# Altium PCB IoT_Greenhouse V1.0 A.PcbDoc (part 1 of 2) (continued)
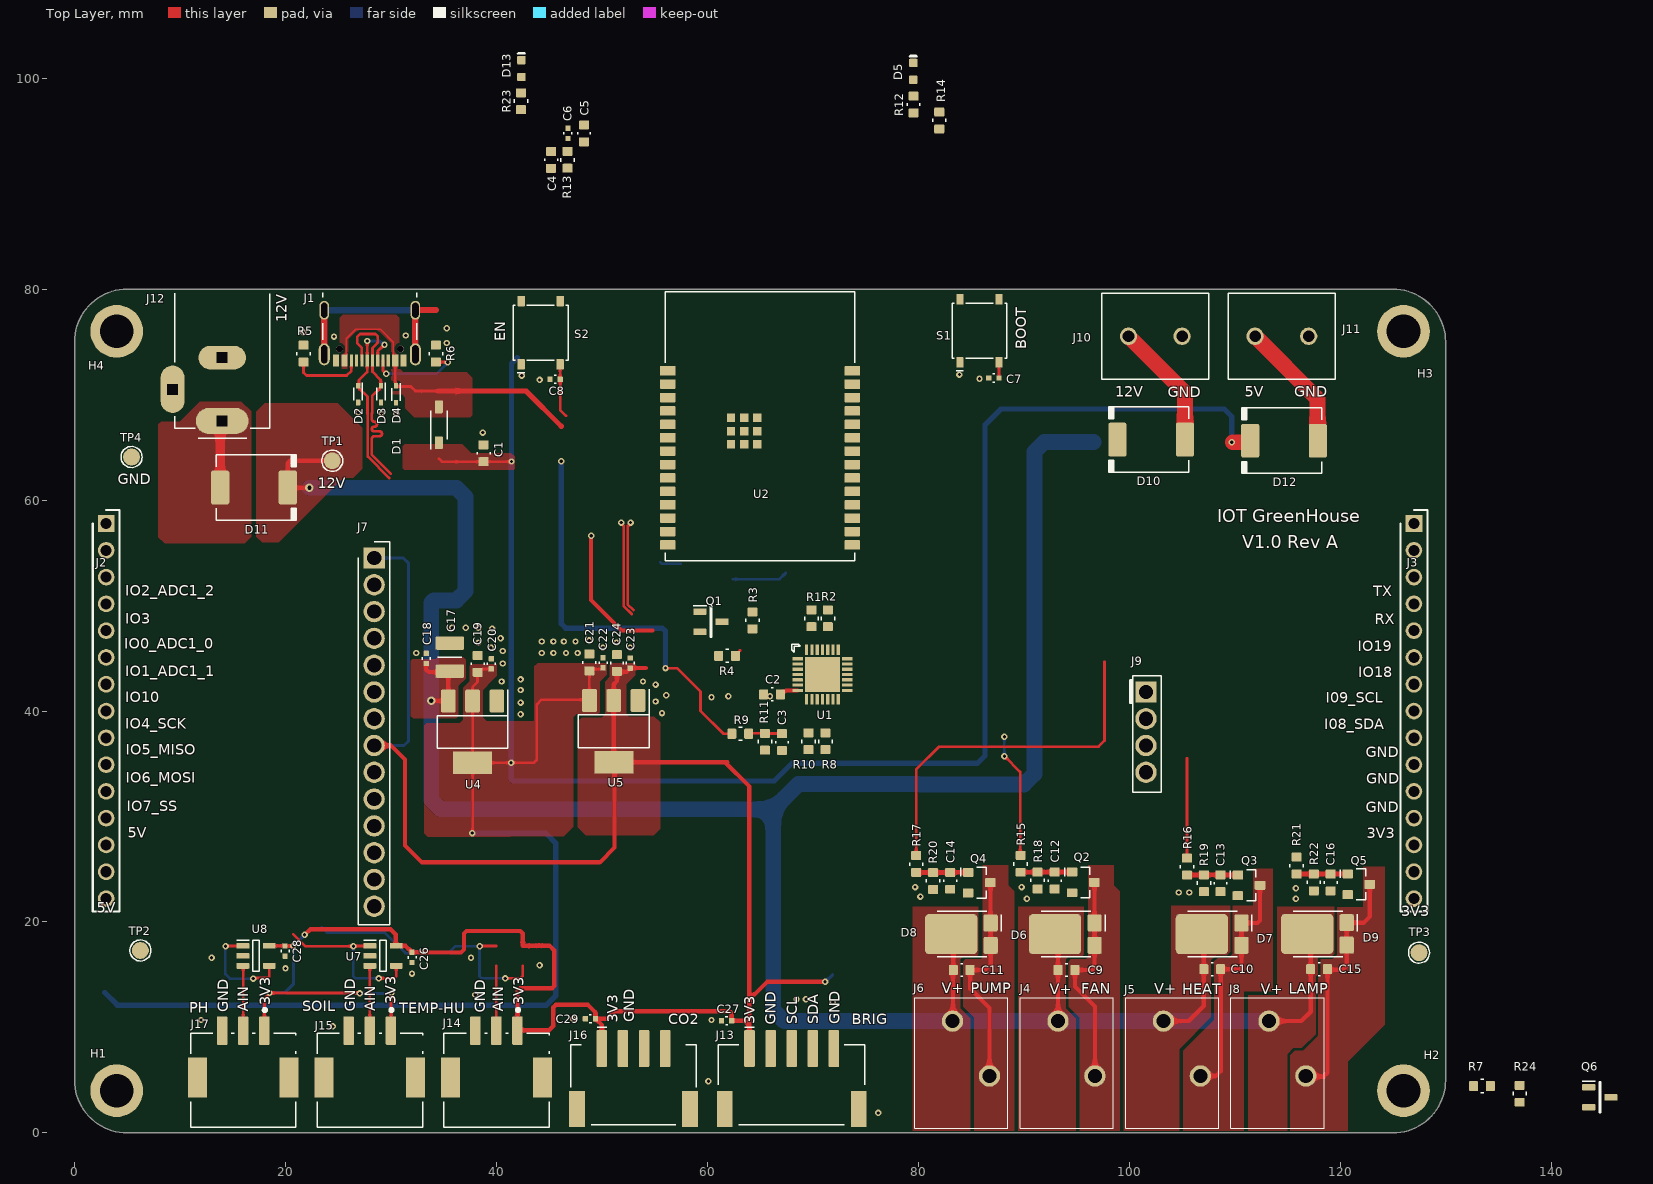
[diagram p0: Top Layer view]
## Part data (continued)
D1: library part DIO_RECT_40V_1A_1N5819HW-7-F, "Rectifier Diode, Schottky, 1 Phase, 1 Element, 1A, 40V V(RRM), Silicon", Average Rectified Current=1A, Capacitance=50pF, Case/Package=SOD-123-2, Forward Voltage=450mV, Manufacturer=Diodes, Max Forward Surge Current (Ifsm)=25A, Max Operating Temperature=125°C, Max Power Dissipation=450mW, Max Repetitive Reverse Voltage (Vrrm)=40V, Max Reverse Current=50uA, Min Operating Temperature=-65°C, Package Quantity=3000, Supplier Part Number 1=1N5819HW-FDIDKR-ND, Category="Rectifier Diodes", ComponentLink1Description=https://datasheet.ciiva.com/16303/ds30217-16303296.pdf?src-supplier=Future+Electronics, ComponentLink1URL=https://datasheet.ciiva.com/16303/ds30217-16303296.pdf?src-supplier=Future+Electronics, ComponentLink2Description=https://datasheet.ciiva.com/27092/1538419-27092484.pdf?src-supplier=Jameco, ComponentLink2URL=https://datasheet.ciiva.com/27092/1538419-27092484.pdf?src-supplier=Jameco, ComponentLink3Description=https://datasheet.ciiva.com/912/ds30217-912801.pdf?src-supplier=Digikey, ComponentLink3URL=https://datasheet.ciiva.com/912/ds30217-912801.pdf?src-supplier=Digikey, ComponentLink4Description=https://datasheet.ciiva.com/912/ds30217-912802.pdf?src-supplier=Digikey, ComponentLink4URL=https://datasheet.ciiva.com/912/ds30217-912802.pdf?src-supplier=Digikey, ComponentLink5Description=https://datasheet.ciiva.com/912/ds30217-912803.pdf?src-supplier=Digikey, ComponentLink5URL=https://datasheet.ciiva.com/912/ds30217-912803.pdf?src-supplier=Digikey, ComponentLink6Description=https://datasheet.ciiva.com/8303/ds30217-8303132.pdf?src-supplier=Avnet, ComponentLink6URL=https://datasheet.ciiva.com/8303/ds30217-8303132.pdf?src-supplier=Avnet, ComponentLink7Description=https://datasheet.ciiva.com/1177/ds30217-1177089.pdf?src-supplier=Element14, ComponentLink7URL=https://datasheet.ciiva.com/1177/ds30217-1177089.pdf?src-supplier=Element14, Current Rating=1A, Forward Current=1A, Height=1.25mm, Lead Free="Lead Free", Length=2.85mm, Manufacturer Part Number=1N5819HW-7-F, Max Reverse Voltage (DC)=40V, Number of Pins=2, Output Current=1A, Packaging="Tape and Reel", Peak Non-Repetitive Surge Current=25A, Polarity=Standard, Pricing 1="1=0.41, 10=0.289, 100=0.146, 500=0.11908, 1000=0.08836 (USD)", Radiation Hardening=No, Reach SVHC Compliant=No, Reverse Voltage=40V, RoHS=Yes, RoHS Compliant=Yes, Series=-, Stock 1=221439, Supplier 1=Digikey, Termination=SMD/SMT, Voltage Rating (DC)=40V, Weight=0.000353oz, Width=1.7mm
D2 D3 D4: library part DIO_TVS_BID_5V_PESD5V0S1BB,115, "ESD Suppressor Diode TVS Bi-Dir 5V Automotive 2-Pin SOD-523 T/R / TVS DIODE 5VWM 14VC SOD523", Breakdown Voltage=5.5V, Manufacturer=Nexperia, Operating Supply Voltage=5V, Supplier Part Number 1=1727-3838-1-ND, Category="ESD and Circuit Protection ICs", ComponentLink1Description=http://www.farnell.com/datasheets/461331.pdf?src-supplier=Farnell, ComponentLink1URL=http://www.farnell.com/datasheets/461331.pdf?src-supplier=Farnell, ComponentLink2Description=https://www.mouser.com/ds/2/302/PESD5V0S1BA_BB_BL-1150699.pdf?src-supplier=Mouser, ComponentLink2URL=https://www.mouser.com/ds/2/302/PESD5V0S1BA_BB_BL-1150699.pdf?src-supplier=Mouser, ComponentLink3Description=https://assets.nexperia.com/documents/data-sheet/PESD5V0S1BA_BB_BL.pdf?src-supplier=Digikey, ComponentLink3URL=https://assets.nexperia.com/documents/data-sheet/PESD5V0S1BA_BB_BL.pdf?src-supplier=Digikey, ComponentLink4Description=http://www.farnell.com/datasheets/461331.pdf?src-supplier=Newark, ComponentLink4URL=http://www.farnell.com/datasheets/461331.pdf?src-supplier=Newark, Manufacturer Part Number=PESD5V0S1BB,115, Number of Pins=2, Packaging="Tape and Reel", Pricing 1="1=0.35, 10=0.243, 100=0.1226, 500=0.10004, 1000=0.07422, 3000=0.06245, 6000=0.0597, 9000=0.05163, 30000=0.05067, 75000=0.04195, 150000=0.04131 (USD)", RoHS=Yes, RoHS Compliant=Yes, Stock 1=221713, Supplier 1=Digikey
D5: library part LED_DIO_BLUE_5mA_0603, "LED Uni-Color Blue 468nm 2-Pin Chip LED T/R", Case Code (Imperial)=0603, Case Code (Metric)=1608, Color=Blue, Forward Current=20mA, Forward Voltage=2.8V, Lens Color=Colorless, Manufacturer="Vishay Lite-On", Max Operating Temperature=80°C, Min Operating Temperature=-20°C, Package Quantity=1, Power Dissipation=76mW, Reverse Voltage=5V, Supplier Part Number 1=160-1827-1-ND, Test Current=5mA, Case/Package=0603, Category=LEDs, ComponentLink1Description=https://datasheet.ciiva.com/2111/ltst-c193tbkt-5a-2111219.pdf?src-supplier=Digi-Key, ComponentLink1URL=https://datasheet.ciiva.com/2111/ltst-c193tbkt-5a-2111219.pdf?src-supplier=Digi-Key, ComponentLink2Description=https://datasheet.ciiva.com/4688/lite-on-ltst-c193tbkt-5a-187386-4688832.pdf?src-supplier=Mouser, ComponentLink2URL=https://datasheet.ciiva.com/4688/lite-on-ltst-c193tbkt-5a-187386-4688832.pdf?src-supplier=Mouser, ComponentLink3Description=https://datasheet.ciiva.com/16210/ltst-c193tbkt-5a-16210824.pdf?src-supplier=Future+Electronics, ComponentLink3URL=https://datasheet.ciiva.com/16210/ltst-c193tbkt-5a-16210824.pdf?src-supplier=Future+Electronics, ComponentLink4Description=https://datasheet.ciiva.com/15201/getdatasheetpartid-293056-15201395.pdf?src-supplier=Verical, ComponentLink4URL=https://datasheet.ciiva.com/15201/getdatasheetpartid-293056-15201395.pdf?src-supplier=Verical, ComponentLink5Description=https://datasheet.ciiva.com/11773/0900766b80dc0554-11773880.pdf?src-supplier=Rs, ComponentLink5URL=https://datasheet.ciiva.com/11773/0900766b80dc0554-11773880.pdf?src-supplier=Rs, ComponentLink6Description=https://datasheet.ciiva.com/2111/p-100-ltst-c193tbkt-5a-2111220.pdf?src-supplier=Digi-Key, ComponentLink6URL=https://datasheet.ciiva.com/2111/p-100-ltst-c193tbkt-5a-2111220.pdf?src-supplier=Digi-Key, ComponentLink7Description=https://datasheet.ciiva.com/2111/p-100-ltst-c193tbkt-5a-2111221.pdf?src-supplier=Digi-Key, ComponentLink7URL=https://datasheet.ciiva.com/2111/p-100-ltst-c193tbkt-5a-2111221.pdf?src-supplier=Digi-Key, Depth=0.8mm, Dominant Wavelength=475nm, Height=0.35mm, Illumination Color=Blue, Lead Free="Lead Free", Length=1.6mm, Lens Style=Diffused,Colorless,Rectangular,Clear, Lens Transparency=Clear, Luminous Intensity=15mcd, Manufacturer Part Number=LTST-C193TBKT-5A, Mount="Surface Mount", Number of Elements=1, Number of LEDs=1, Number of Pins=2, Packaging="Tape and Reel", Pricing 1="1=0.30000, 10=0.23400, 100=0.10510, 500=0.09492, 1000=0.07797, 2000=0.06780 (USD)", Radiation Hardening=No, RoHS=Yes, RoHS Compliant=Yes, Stock 1=924158, Supplier 1=Digi-Key, Supplier 2="Arrow Electronics", Supplier 3="Future Electronics", Supplier Part Number 2=LTST-C193TBKT-5A, Supplier Part Number 3=1101072, Viewing Angle=130°, Width=0.8mm
D6 D7 D8 D9: library part DIO_SCTKY_100V_6A_PMEG100V060ELPDZ, "DIODESCHOTTKY100V6ACFP15", Manufacturer=Nexperia, Category="Schottky Diodes", ComponentLink1Description=http://www.farnell.com/datasheets/2341403.pdf?src-supplier=Farnell, ComponentLink1URL=http://www.farnell.com/datasheets/2341403.pdf?src-supplier=Farnell, ComponentLink2Description=https://datasheet.octopart.com/PMEG100V060ELPDZ-Nexperia-datasheet-87796136.pdf?src-supplier=Future+Electronics, ComponentLink2URL=https://datasheet.octopart.com/PMEG100V060ELPDZ-Nexperia-datasheet-87796136.pdf?src-supplier=Future+Electronics, Manufacturer Part Number=PMEG100V060ELPDZ, Pricing 1="1=0.58, 10=0.504, 100=0.3491, 500=0.29166 (USD)", RoHS=Yes, RoHS Compliant=Yes, Stock 1=60422, Supplier 1=Digikey
D10 D11 D12: library part DIO_SCTKY_40V_3A, "Rectifier Diode, schottky, 40V V(Rrm), do-214Ab / Smc", Average Rectified Current=3A, Case/Package=SMC, Forward Voltage=500mV, Manufacturer="Vishay Semiconductors", Max Operating Temperature=125°C, Max Repetitive Reverse Voltage (Vrrm)=40V, Max Reverse Current=500uA, Max Surge Current=100A, Min Operating Temperature=-55°C, Package Quantity=3500, Category="Rectifier Diodes", ComponentLink1Description=https://datasheet.ciiva.com/920/ss32-920172.pdf?src-supplier=Digi-Key, ComponentLink1URL=https://datasheet.ciiva.com/920/ss32-920172.pdf?src-supplier=Digi-Key, Element Configuration=Single, Forward Current=3A, Manufacturer Part Number=SS34-E3/9AT, Max Reverse Leakage Current=500uA, Max Reverse Voltage (DC)=40V, Mount="Surface Mount", Number of Pins=2, Packaging="Tape and Reel", Peak Non-Repetitive Surge Current=100A, Pricing 1="3500=0.18200 (USD)", Radiation Hardening=No, RoHS=Yes, RoHS Compliant=Yes, Series=-, Stock 1=7000, Supplier 1=TTI, Supplier Part Number 1=SS34-E3/9AT
D13: library part LED_DIO_RED_20mA_0603, "LED,  LTST-C190KRKT", Case Code (Imperial)=0603, Case Code (Metric)=1608, Color=Red, Forward Current=30mA, Forward Voltage=2.4V, Lens Color=Colorless, Manufacturer="Vishay Lite-On", Max Operating Temperature=85°C, Min Operating Temperature=-55°C, Package Quantity=1, Power Dissipation=75mW, Reverse Voltage=5V, Supplier Part Number 1=160-1436-6-ND, Test Current=20mA, Case/Package=0603, Category=LEDs, ComponentLink1Description=https://datasheet.ciiva.com/19482/1260381-19482354.pdf?src-supplier=Jameco, ComponentLink1URL=https://datasheet.ciiva.com/19482/1260381-19482354.pdf?src-supplier=Jameco, ComponentLink2Description=https://datasheet.ciiva.com/12403/100-ltst-c190krkt-59805-12403895.pdf?src-supplier=Mouser, ComponentLink2URL=https://datasheet.ciiva.com/12403/100-ltst-c190krkt-59805-12403895.pdf?src-supplier=Mouser, ComponentLink3Description=https://datasheet.ciiva.com/16427/ltst-c190krkt-16427674.pdf?src-supplier=Future+Electronics, ComponentLink3URL=https://datasheet.ciiva.com/16427/ltst-c190krkt-16427674.pdf?src-supplier=Future+Electronics, ComponentLink4Description=https://datasheet.ciiva.com/15117/getdatasheetpartid-57395-15117240.pdf?src-supplier=Verical, ComponentLink4URL=https://datasheet.ciiva.com/15117/getdatasheetpartid-57395-15117240.pdf?src-supplier=Verical, ComponentLink5Description=https://datasheet.ciiva.com/11774/0900766b80dc02a9-11774043.pdf?src-supplier=Rs, ComponentLink5URL=https://datasheet.ciiva.com/11774/0900766b80dc02a9-11774043.pdf?src-supplier=Rs, ComponentLink6Description=https://datasheet.ciiva.com/2109/s-110-ltst-c190krkt-2109992.pdf?src-supplier=Digi-Key, ComponentLink6URL=https://datasheet.ciiva.com/2109/s-110-ltst-c190krkt-2109992.pdf?src-supplier=Digi-Key, ComponentLink7Description=https://datasheet.ciiva.com/2109/s-110-ltst-c190krkt-2109991.pdf?src-supplier=Digi-Key, ComponentLink7URL=https://datasheet.ciiva.com/2109/s-110-ltst-c190krkt-2109991.pdf?src-supplier=Digi-Key, ComponentLink8Description=https://datasheet.ciiva.com/2109/s-110-ltst-c190krkt-2109993.pdf?src-supplier=Digi-Key, ComponentLink8URL=https://datasheet.ciiva.com/2109/s-110-ltst-c190krkt-2109993.pdf?src-supplier=Digi-Key, ComponentLink9Description=https://datasheet.ciiva.com/26937/getdatasheetpartid-631582-26937958.pdf?src-supplier=Verical, ComponentLink9URL=https://datasheet.ciiva.com/26937/getdatasheetpartid-631582-26937958.pdf?src-supplier=Verical, Depth=0.8mm, Dominant Wavelength=631nm, Height=0.8mm, Illumination Color=Red, Lead Free="Lead Free", Length=1.6mm, Lens Style=Diffused,Colorless,Clear,Rectangular, Lens Transparency=Clear, Luminous Intensity=54mcd, Manufacturer Part Number=LTST-C190KRKT, Mount="Surface Mount", Number of Elements=1, Number of LEDs=1, Number of Pins=2, Packaging="Tape and Reel", Power Rating=75mW, Pricing 1="1=0.24000, 10=0.13200, 100=0.06110, 500=0.05640, 1000=0.04418, 2000=0.04324 (USD)", Radiation Hardening=No, RoHS=Yes, RoHS Compliant=Yes, Stock 1=712361, Supplier 1=Digi-Key, Supplier 2=Mouser, Supplier 3="Arrow Electronics", Supplier Part Number 2=859-LTST-C190KRKT, Supplier Part Number 3=LTST-C190KRKT, Viewing Angle=130°, Wavelength=639nm, Width=0.8mm
H1 H2 H3 H4: library part MECHANICALS_MOUNT_PTH, "Mounting Hole, Plated"
J1: library part "CONN_USB_TYPEC_2.0_16P_TYPE-C 16PIN 2MD(073)", "5A 1 Surface Mount 16P Female -25℃~+85℃ Type-C SMD USB Connectors ROHS", Manufacturer="SHOU HAN", Supplier Part Number 1=664-12402012E212ACT-ND, Category=Connectors, Manufacturer Part Number="TYPE-C 16PIN 2MD(073)", Pricing 1="0.0523 (USD)", RoHS=No, Supplier 1=LCSC
J2 J3: library part CONN_HEADER_MALE_15P_2.54mm, "CONN HEADER .100 SINGL STR 15POS", Color=Black, Manufacturer=Sullins, Package Quantity=1, Supplier Part Number 1=S1212E-15-ND, Category=Connectors, ComponentLink1Description=https://s3.amazonaws.com/catalogspreads-pdf/PAGE108-109%20.100%20MALE%20HDR.pdf?src-supplier=Digikey, ComponentLink1URL=https://s3.amazonaws.com/catalogspreads-pdf/PAGE108-109%20.100%20MALE%20HDR.pdf?src-supplier=Digikey, Contact Material=Bronze, Contact Mating Length=0.318inch, Contact Plating=Tin, Contact Type="Male Pin", Gender=Male, Height=2.54mm, Housing Color=Black, Housing Material=Plastic, Lead Free="Lead Free", Length=38.1mm, Manufacturer Part Number=PEC15SFAN, Mount="Through Hole", Number of Contacts=15, Number of Positions=15, Number of Rows=1, Packaging=Bulk, Pitch=0.1inch, Pricing 1="1=0.82, 10=0.695, 100=0.6239, 500=0.5105, 1000=0.45378, 5000=0.40516 (USD)", RoHS=Yes, RoHS Compliant=Yes, Stock 1=17155, Supplier 1=Digikey, Termination=Solder, Width=2.54mm
J4 J5 J6 J8: library part CONN_TBLOCK_2P_3.5mm_1-2834011-2, "2POS3.5MMTOPENTRYSCREWLESSC", Color=Green, Contact Current Rating=6A, Manufacturer="TE Connectivity", Max Operating Temperature=105°C, Min Operating Temperature=-40°C, Supplier Part Number 1=A123848-ND, Voltage=300V, Approvals=UL, Category="Terminal Blocks", ComponentLink1Description=http://www.te.com/commerce/DocumentDelivery/DDEController?Action=srchrtrv&DocNm=1-1773872-7_ModularScrewlessTerminalBloc&DocType=DS&DocLang=English&src-supplier=Digikey, ComponentLink1URL=http://www.te.com/commerce/DocumentDelivery/DDEController?Action=srchrtrv&DocNm=1-1773872-7_ModularScrewlessTerminalBloc&DocType=DS&DocLang=English&src-supplier=Digikey, ComponentLink2Description=https://datasheet.octopart.com/1-2834011-2-TE-Connectivity-datasheet-62069794.pdf?src-supplier=Farnell, ComponentLink2URL=https://datasheet.octopart.com/1-2834011-2-TE-Connectivity-datasheet-62069794.pdf?src-supplier=Farnell, ComponentLink3Description=http://www.farnell.com/datasheets/2296738.pdf?src-supplier=Newark, ComponentLink3URL=http://www.farnell.com/datasheets/2296738.pdf?src-supplier=Newark, ComponentLink4Description=https://datasheet.octopart.com/1-2834011-2-TE-Connectivity-datasheet-77874288.pdf?src-supplier=Element14, ComponentLink4URL=https://datasheet.octopart.com/1-2834011-2-TE-Connectivity-datasheet-77874288.pdf?src-supplier=Element14, Connector Type=Receptacle,Connector, Contact Plating=Tin,Lead, Current=6A, Current Rating=6A, Housing Material=Nylon, Lead Free="Lead Free", Manufacturer Part Number=1-2834011-2, Mount="Through Hole", Number of Levels=1, Number of Pins=2, Number of Positions=2, Number of Positions Per Level=2, Packaging=Box, Pricing 1="1=0.25, 10=0.209, 25=0.194, 50=0.1832, 100=0.1732, 250=0.16068, 500=0.15182, 1000=0.14552 (USD)", Reach SVHC Compliant=Unknown, RoHS=Yes, RoHS Compliant=Yes, Sealable="No (Without)", Series=-, Stock 1=110419, Supplier 1=Digikey, Termination="Through Hole", Voltage Rating=300V, Wire Gauge (Max)=20AWG, Wire Gauge (Min)=14AWG, Wire/Cable Gauge=14AWG
J7: library part CONN_HEADER_FEMALE_14P_2.54mm, "PPTC Series 14 Position 2.54 mm Single Row Through Hole Pin Header", Flammability Rating="UL94 V-0", Insulation Color=Black, Manufacturer=Sullins, Max Operating Temperature=105°C, Min Operating Temperature=-40°C, Supplier Part Number 1=S7012-ND, Voltage Rating=250V, Category=Connectors, ComponentLink1Description=https://media.digikey.com/pdf/Data%20Sheets/Sullins%20PDFs/Female_Headers.100_DS.pdf?src-supplier=Digikey, ComponentLink1URL=https://media.digikey.com/pdf/Data%20Sheets/Sullins%20PDFs/Female_Headers.100_DS.pdf?src-supplier=Digikey, Connector Type=Header, Contact Finish - Mating=TIN, Contact Material=Bronze, Contact Shape=Square, Contact Type="Female Socket", Fastening Type=Pull, Height=8.5mm, Housing Material=Plastic, Insulation Material=Polyester, Lead Free="Lead Free", Length=36.1mm, Manufacturer Part Number=PPTC141LFBN-RC, Mount="Through Hole", Number of Positions=14, Number of Rows=1, Packaging=Tray, Pricing 1="1=0.92, 10=0.78, 80=0.70075, 440=0.5733, 1000=0.5096, 5000=0.455 (USD)", RoHS=Yes, RoHS Compliant=Yes, Series=-, Stock 1=3902, Supplier 1=Digikey, Termination=Solder, Width=2.5mm
J9: library part CONN_HEADER_FEMALE_4P_2.54mm_JLCPCB, "2.54mm Plugin 4P Brass Straight 1x4P Plugin,P=2.54mm  Female Headers ROHS", Flammability Rating="UL94 V-0", Insulation Color=Black, JLCPCB Part Number=C541851, Manufacturer=XFCN, Max Operating Temperature=105°C, Min Operating Temperature=-40°C, Voltage Rating=250V, Category=Connectors, Connector Type=Header, Contact Finish - Mating=TIN, Contact Material=Bronze, Contact Shape=Square, Contact Type="Female Socket", Fastening Type=Pull, Height=8.5mm, Housing Material=Plastic, Insulation Material=Polyester, Lead Free="Lead Free", Length=10.7mm, Manufacturer Part Number=PM254V-11-04-H85, Mount="Through Hole", Number of Positions=4, Number of Rows=1, Packaging=Tray, Pitch=2.54mm, RoHS=Yes, RoHS Compliant=Yes, Series=-, Supplier=Jlcpcb, Termination=Solder, Width=2.5mm
J10 J11: library part CONN_TBLOCK_2P_5.08mm_282837-2, "Connector, Terminal Block; Wire Receptacle; 2 Pos.; 16-30 AWG; 0.2 in. CL; Side;", Color=Green, Current=13.5A, Flammability Rating="UL94 V-0", Manufacturer="TE Connectivity", Max Operating Temperature=110°C, Min Operating Temperature=-40°C, Operating Supply Voltage=300V, Package Quantity=300, Supplier Part Number 1=A113320-ND, Voltage Rating=250V, Category="Terminal Blocks", Closed End="No (Without)", ComponentLink1Description=https://datasheet.ciiva.com/819/eng-cs-1308389-eurostyle-terminal-blocks-0607-819104.pdf?src-supplier=Avnet, ComponentLink1URL=https://datasheet.ciiva.com/819/eng-cs-1308389-eurostyle-terminal-blocks-0607-819104.pdf?src-supplier=Avnet, ComponentLink2Description=https://datasheet.ciiva.com/11758/0900766b80e7dc97-11758677.pdf?src-supplier=Rs, ComponentLink2URL=https://datasheet.ciiva.com/11758/0900766b80e7dc97-11758677.pdf?src-supplier=Rs, ComponentLink3Description=https://datasheet.ciiva.com/16305/eng-cs-1308389-eurostyle-terminal-blocks-0607-16305248.pdf?src-supplier=Future+Electronics, ComponentLink3URL=https://datasheet.ciiva.com/16305/eng-cs-1308389-eurostyle-terminal-blocks-0607-16305248.pdf?src-supplier=Future+Electronics, ComponentLink4Description=https://datasheet.ciiva.com/19467/750688-19467564.pdf?src-supplier=Jameco, ComponentLink4URL=https://datasheet.ciiva.com/19467/750688-19467564.pdf?src-supplier=Jameco, ComponentLink5Description=https://datasheet.ciiva.com/18620/eng-cd-282837-g3-18620917.pdf?src-supplier=Digikey, ComponentLink5URL=https://datasheet.ciiva.com/18620/eng-cd-282837-g3-18620917.pdf?src-supplier=Digikey, ComponentLink6Description=https://datasheet.ciiva.com/823/eng-cd-282837-g3-823439.pdf?src-supplier=Digikey, ComponentLink6URL=https://datasheet.ciiva.com/823/eng-cd-282837-g3-823439.pdf?src-supplier=Digikey, ComponentLink7Description=https://datasheet.ciiva.com/7978/1650926-7978569.pdf?src-supplier=Element14, ComponentLink7URL=https://datasheet.ciiva.com/7978/1650926-7978569.pdf?src-supplier=Element14, ComponentLink8Description=https://datasheet.ciiva.com/14606/70086281-14606908.pdf?src-supplier=Allied+Electronics, ComponentLink8URL=https://datasheet.ciiva.com/14606/70086281-14606908.pdf?src-supplier=Allied+Electronics, ComponentLink9Description=https://datasheet.ciiva.com/30084/eng-cs-1308389-eurostyle-terminal-blocks-0607-30084269.pdf?src-supplier=Onlinecomponents.com, ComponentLink9URL=https://datasheet.ciiva.com/30084/eng-cs-1308389-eurostyle-terminal-blocks-0607-30084269.pdf?src-supplier=Onlinecomponents.com, Connector System=Wire-to-Board, Connector Type=Receptacle, Contact Material=Brass, Contact Plating=Tin, Current Rating=13.5A, ELV=Compliant, Housing Color=Green, Housing Material=Polyamide, Interlock="Yes (With)", Lead Free="Lead Free", Manufacturer Part Number=282837-2, Max Current Rating=13.5A, Mount="Through Hole", Number of Levels=1, Number of Positions=2, Number of Positions Per Level=2, Number of Rows=1, Packaging=Tray, Pitch=5.08mm, Plating=Brass, Pricing 1="1=0.7, 10=0.681, 25=0.678, 50=0.6552, 100=0.5494, 250=0.51504, 500=0.48644, 1000=0.42635, 5000=0.37199 (USD)", Reach SVHC Compliant=Unknown, RoHS=Yes, RoHS Compliant=Yes, Screw Flange="No (Without)", Screwless Terminal Block="No (Without)", Series=Buchanan, Side Stackable="Yes (With)", Stock 1=217371, Supplier 1=Digikey, Tail Length=3.5mm, Termination=Screw, Thread Size=M3, Voltage=300V, Voltage Rating (AC)=250V, Weight=0.059966oz, Wire Gauge (Max)=28AWG, Wire Gauge (Min)=30AWG
J12: library part CONN_DC_JACK_2X6.5mm_PJ-202AH, "2.0 x 6.5 mm, 5.0 A, Horizontal, Through Hole, Kinked Pins, Dc Power Jack Connector", Body Color=Black, Flammability Rating="UL94 V-0", Manufacturer="CUI Devices", Max Operating Temperature=85°C, Min Operating Temperature=-25°C, Supplier Part Number 1=CP-202AH-ND, Category="Power Connectors", ComponentLink1Description=https://datasheet.octopart.com/PJ-202AH-CUI-Devices-datasheet-137760703.pdf?src-supplier=Future+Electronics, ComponentLink1URL=https://datasheet.octopart.com/PJ-202AH-CUI-Devices-datasheet-137760703.pdf?src-supplier=Future+Electronics, ComponentLink2Description=https://datasheet.octopart.com/PJ-202AH-CUI-datasheet-54017.pdf?src-supplier=Digi-Key, ComponentLink2URL=https://datasheet.octopart.com/PJ-202AH-CUI-datasheet-54017.pdf?src-supplier=Digi-Key, ComponentLink3Description=https://datasheet.octopart.com/PJ-202AH-CUI-Devices-datasheet-141002001.pdf?src-supplier=Electro+Sonic, ComponentLink3URL=https://datasheet.octopart.com/PJ-202AH-CUI-Devices-datasheet-141002001.pdf?src-supplier=Electro+Sonic, Connector Type=Jack, Contact Material=Brass, Contact Plating=Silver, Gender=Male, Housing Material=PBT, Manufacturer Part Number=PJ-202AH, Mount="Through Hole", Pricing 1="1=0.78, 25=0.6528, 100=0.5988, 500=0.48902, 2500=0.40274, 10000=0.36162 (USD)", RoHS=Yes, Series=-, Shielding=Unshielded, Stock 1=143167, Supplier 1=Digi-Key, Termination="Kinked Pin"
J13: library part CONN_JST_PH_RA_5P_2mm, "Conn Shrouded Header (4 Sides) HDR 5 POS 2mm Solder RA SMD T/R", Color=Natural,White, Contact Resistance=20mR, Current Rating=2A, Flammability Rating="UL94 V-0", Housing Color=Beige, Insulation Color=Natural, Insulation Resistance=1GR, Manufacturer=JST, Max Operating Temperature=85°C, Max Voltage Rating (AC)=100V, Min Operating Temperature=-25°C, Supplier Part Number 1=455-1752-1-ND, Category=Connectors, ComponentLink1Description=https://datasheet.ciiva.com/712/eph-712755.pdf?src-supplier=Digi-Key, ComponentLink1URL=https://datasheet.ciiva.com/712/eph-712755.pdf?src-supplier=Digi-Key, ComponentLink2Description=https://datasheet.ciiva.com/26894/getdatasheetpartid-641042-26894630.pdf?src-supplier=Verical, ComponentLink2URL=https://datasheet.ciiva.com/26894/getdatasheetpartid-641042-26894630.pdf?src-supplier=Verical, Connector Type=Header, Contact Finish - Mating=TIN, Contact Material="Copper Alloy,Tin,Bronze,Brass", Contact Mating Length=0.13inch, Contact Plating=Tin,Copper, Contact Shape=Square, Contact Type="Male Pin", Depth=8.6mm, Fastening Type=Detent, Gender=Male, Height=9.4mm, Housing Material=Polyamide, Insulation Material=Nylon, Lead Free="Lead Free", Lead Pitch=2mm, Length=13.9mm, Manufacturer Part Number=S5B-PH-SM4-TB(LF)(SN), Max Current Rating=2A, Mount="Surface Mount", Number of Contacts=5, Number of Poles=5, Number of Positions=5, Number of Rows=1, Orientation="Right Angle", Packaging="Tape and Reel", Pitch=2mm, Pricing 1="1=0.81000, 10=0.70600, 100=0.58210, 500=0.50618 (USD)", Reach SVHC Compliant=Yes, RoHS=Yes, Series=PH, Stock 1=35118, Supplier 1=Digi-Key, Supplier 2="Arrow Electronics", Supplier 3=Newark, Supplier Part Number 2=S5B-PH-SM4-TB(LF)(SN), Supplier Part Number 3=38K8079, Termination=Solder, Voltage Rating=100V, Voltage Rating (AC)=100V, Width=5mm, Working Voltage=100V
J14 J15 J17: library part CONN_JST_PH_3P_2MM_SM03B-PASS-TBT, "Conn Header SMD R/a 3POS 2MM", Manufacturer=JST, Supplier Part Number 1=455-SM03B-PASS-TBTCT-ND, Manufacturer Part Number=SM03B-PASS-TBT, Pricing 1="1=0.78, 10=0.657, 100=0.5904, 500=0.48304, 1000=0.42938, 2000=0.40254, 3000=0.38912, 5000=0.3757, 10000=0.35692, 25000=0.34887 (USD)", RoHS=No, Stock 1=258662, Supplier 1=Digikey
J16: library part CONN_JST_PH_RA_4P_2mm_JLCPCB, "1x4P PH 1 Tin 2mm 4 -25℃~+85℃ 2A Copper Alloy Surface Mount SMD,P=2mm Wire To Board / Wire To Wire Connector ROHS", Color=White, Current Rating=2A, Flammability Rating="UL94 V-0", Housing Color=Natural, Insulation Resistance=1GR, JLCPCB Part Number=C265102, Manufacturer=JST, Voltage Rating=100V, Category=Connectors, Contact Material="Copper Alloy", Contact Plating=Tin, Gender=Male, Height=5.5mm, Housing Material=Nylon, Lead Free="Lead Free", Length=11.9mm, Manufacturer Part Number=S4B-PH-SM4-TB(LF)(SN, Number of Contacts=4, Number of Positions=4, Number of Rows=1, Orientation="Right Angle", Packaging="Cut Tape", Pitch=2mm, Reach SVHC Compliant=Yes, RoHS=No, Supplier 1=jlcpcb, Termination=Solder, Voltage Rating (AC)=100V, Width=7.6mm
Q1 Q6: library part TRANS_BJT_NPN_800mA_25V_KSC3265YMTF, "KSC3265 Series 25 V CE Breakdown .8 A NPN Epitaxial Silicon Transistor - SOT-23", Case/Package=SOT-23, Collector Base Voltage (VCBO)=30V, Collector Emitter Breakdown Voltage=25V, Collector Emitter Saturation Voltage=400mV, Current Rating=800mA, Emitter Base Voltage (VEBO)=5V, Frequency=120MHz, Manufacturer="ON Semiconductor / Fairchild", Max Operating Temperature=150°C, Max Power Dissipation=200mW, Min Operating Temperature=-55°C, Package Quantity=3000, Supplier Part Number 1=KSC3265YMTFCT-ND, Category=BJTs, Collector Emitter Voltage (VCEO)=25V, Collector-emitter Voltage-Max=400mV, ComponentLink1Description=https://datasheet.ciiva.com/15138/getdatasheetpartid-30747-15138569.pdf?src-supplier=Verical, ComponentLink1URL=https://datasheet.ciiva.com/15138/getdatasheetpartid-30747-15138569.pdf?src-supplier=Verical, ComponentLink2Description=https://datasheet.ciiva.com/6356/ksc3265-6356136.pdf?src-supplier=Digikey, ComponentLink2URL=https://datasheet.ciiva.com/6356/ksc3265-6356136.pdf?src-supplier=Digikey, ComponentLink3Description=https://datasheet.ciiva.com/6356/ksc3265-6356138.pdf?src-supplier=Digikey, ComponentLink3URL=https://datasheet.ciiva.com/6356/ksc3265-6356138.pdf?src-supplier=Digikey, ComponentLink4Description=https://datasheet.ciiva.com/6356/ksc3265-6356141.pdf?src-supplier=Digikey, ComponentLink4URL=https://datasheet.ciiva.com/6356/ksc3265-6356141.pdf?src-supplier=Digikey, Gain Bandwidth Product=120MHz, Height=0.97mm, hFE Min=100, Lead Free="Lead Free", Length=2.9mm, Manufacturer Part Number=KSC3265YMTF, Max Breakdown Voltage=25V, Max Collector Current=800mA, Max Frequency=120MHz, Mount="Surface Mount", Number of Elements=1, Number of Pins=3, Packaging="Tape and Reel", Polarity=NPN, Power Dissipation=200mW, Pricing 1="1=0.22, 10=0.132, 100=0.0817, 500=0.05974, 1000=0.0526, 3000=0.0435, 6000=0.0389, 9000=0.03655, 15000=0.0339, 21000=0.03233, 30000=0.0308, 75000=0.02745, 150000=0.02537, 300000=0.02363 (USD)", Radiation Hardening=No, Reach SVHC Compliant=No, RoHS=Yes, RoHS Compliant=Yes, Series=-, Stock 1=8859, Supplier 1=Digikey, Transition Frequency=120MHz, Voltage Rating (DC)=25V, Weight=0.03g, Width=1.3mm
Q2 Q3 Q4 Q5: library part TRANS_FET_CH_N_20V_6.5A_DMG6968U-7, "Trans Mosfet N-ch 20V 6.5A 3-PIN SOT-23 T/r Trans Mosfet N-ch 20V 6.5A 3-PIN SOT-23 T/r", Case/Package=SOT-23-3, Continuous Drain Current (ID)=6.5A, Drain to Source Resistance=25mR, Drain to Source Voltage (Vdss)=20V, Drain-source On Resistance-Max=36mR, Gate to Source Voltage (Vgs)=12V, Input Capacitance=151pF, Manufacturer=Diodes, Max Operating Temperature=150°C, Max Power Dissipation=1.3W, Min Operating Temperature=-55°C, Package Quantity=1, Supplier Part Number 1=DMG6968UDICT-ND, Threshold Voltage=500mV, Category=MOSFETs, ComponentLink1Description=https://datasheet.ciiva.com/5774/ds31738-5774992.pdf?src-supplier=Farnell, ComponentLink1URL=https://datasheet.ciiva.com/5774/ds31738-5774992.pdf?src-supplier=Farnell, ComponentLink2Description=https://datasheet.ciiva.com/22712/1915638-22712395.pdf?src-supplier=Element14, ComponentLink2URL=https://datasheet.ciiva.com/22712/1915638-22712395.pdf?src-supplier=Element14, Fall Time=205ns, Height=1mm, Lead Free="Lead Free", Length=2.9mm, Manufacturer Part Number=DMG6968U-7, Mount="Surface Mount", Nominal Vgs=500mV, Number of Channels=1, Number of Pins=3, Packaging="Tape and Reel", Polarity=N-CHANNEL, Pricing 1="1=0.37, 10=0.289, 100=0.1732, 500=0.16034, 1000=0.10903 (USD)", Radiation Hardening=No, Rds On Max=25mR, Reach SVHC Compliant=No, Rise Time=66ns, RoHS=Yes, RoHS Compliant=Yes, Series=-, Stock 1=575891, Supplier 1=Digikey, Turn-Off Delay Time=613ns, Turn-On Delay Time=54ns, Weight=0.000282oz, Width=1.3mm
R1 R2: library part RES_0R_1%_100mW_0603, "RC Series 0603 0.1 W 0 Ohm Jumper Surface Mount Thick Film Chip Resistor", Case Code (Imperial)=0603, Case Code (Metric)=1608, Current Rating=1A, Manufacturer=Yageo, Max Operating Temperature=155°C, Max Power Dissipation=100mW, Min Operating Temperature=-55°C, Package Quantity=5000, Resistance=0R, Resistance Tolerance=1%, Resistor Type="Thick Film", Supplier Part Number 1=311-0.0HRCT-ND, Temperature Coefficient=200ppm/°C, Voltage Rating=50V, Working Voltage=75V, Case/Package=0603, Category="Chip SMD Resistors", ComponentLink1Description=https://datasheet.ciiva.com/11808/0900766b80f96399-11808172.pdf?src-supplier=Rs, ComponentLink1URL=https://datasheet.ciiva.com/11808/0900766b80f96399-11808172.pdf?src-supplier=Rs, ComponentLink2Description=https://datasheet.ciiva.com/5684/443971-5684699.pdf?src-supplier=Farnell, ComponentLink2URL=https://datasheet.ciiva.com/5684/443971-5684699.pdf?src-supplier=Farnell, ComponentLink3Description=https://datasheet.ciiva.com/7983/443971-7983627.pdf?src-supplier=Element14, ComponentLink3URL=https://datasheet.ciiva.com/7983/443971-7983627.pdf?src-supplier=Element14, ComponentLink4Description=https://datasheet.ciiva.com/22643/1868787-22643388.pdf?src-supplier=Element14, ComponentLink4URL=https://datasheet.ciiva.com/22643/1868787-22643388.pdf?src-supplier=Element14, ComponentLink5Description=https://datasheet.ciiva.com/46382/443971-46382072.pdf?src-supplier=Element14, ComponentLink5URL=https://datasheet.ciiva.com/46382/443971-46382072.pdf?src-supplier=Element14, ComponentLink6Description=https://datasheet.ciiva.com/29721/pyu-r-int-thick-7-29721178.pdf?src-supplier=Digi-Key, ComponentLink6URL=https://datasheet.ciiva.com/29721/pyu-r-int-thick-7-29721178.pdf?src-supplier=Digi-Key, ComponentLink7Description=https://datasheet.ciiva.com/29721/pyu-rc0603-51-rohs-l-4-29721179.pdf?src-supplier=Digi-Key, ComponentLink7URL=https://datasheet.ciiva.com/29721/pyu-rc0603-51-rohs-l-4-29721179.pdf?src-supplier=Digi-Key, ComponentLink8Description=https://datasheet.ciiva.com/5558/rc0603-272842-5558341.pdf?src-supplier=Mouser, ComponentLink8URL=https://datasheet.ciiva.com/5558/rc0603-272842-5558341.pdf?src-supplier=Mouser, Construction=Rectangular, Contact Plating=Tin,Matte, Depth=0.8mm, Features="Moisture Resistant", Height=0.45mm, Lead Free="Lead Free", Length=1.6mm, Manufacturer Part Number=RC0603FR-070RL, Military Standard=Not, Number of Pins=2, Number of Terminations=2, Packaging="Tape and Reel", Power Rating=100mW, Pricing 1="1=0.10000, 10=0.01800, 25=0.01320, 50=0.01000, 100=0.00730, 250=0.00560, 500=0.00448, 1000=0.00329 (USD)", Radiation Hardening=No, Reach SVHC Compliant=Yes, RoHS=Yes, RoHS Compliant=Yes, Series=RC, Stock 1=2843917, Supplier 1=Digi-Key, Technology="THICK FILM", Termination=SMD/SMT, Tolerance=1%, Voltage Rating (DC)=50V, Width=0.8mm
R3 R4 R8 R13 R14: library part RES_10K_1%_100mW_0603, "Chip Resistor Automotive Grade Thick Film 0603 10kOhm 1% Paper T/R", Case Code (Imperial)=0603, Case Code (Metric)=1608, Manufacturer=Yageo, Max Operating Temperature=155°C, Min Operating Temperature=-55°C, Power Rating=100mW, Resistance=10K, Supplier Part Number 1=13-AC0603FR-1010KLCT-ND, Temperature Coefficient=100ppm/°C, Tolerance=1%, Voltage Rating=50V, Case/Package=0603, Category="Chip SMD Resistors", ComponentLink1Description=http://www.mouser.com/ds/2/447/yageodocoutput-1111992.pdf?src-supplier=Mouser, ComponentLink1URL=http://www.mouser.com/ds/2/447/yageodocoutput-1111992.pdf?src-supplier=Mouser, Height=0.45mm, Length=1.6mm, Manufacturer Part Number=AC0603FR-1010KL, Packaging="Tape and Reel", Pricing 1="1=0.10000, 10=0.02500, 100=0.01030, 1000=0.00463, 2500=0.00402, 5000=0.00332 (USD)", RoHS=Yes, RoHS Compliant=Yes, Series=AC, Stock 1=172891, Supplier 1=Digi-Key, Supplier 2=Newark, Supplier 3=Avnet, Supplier Part Number 2=49AK0662, Supplier Part Number 3=49AK0662, Termination=SMD/SMT, Weight=7.1E-05oz, Width=0.8mm
R5 R6: library part RES_5.1K_1%_100mW_0603, "SMD Chip Resistor, 5.1 kOhm, ± 1%, 100 mW, 0603 [1608 Metric], Thick Film, General Purpose", Case Code (Imperial)=0603, Case Code (Metric)=1608, Manufacturer=Yageo, Max Operating Temperature=155°C, Max Power Dissipation=100mW, Min Operating Temperature=-55°C, Package Quantity=1, Resistance=5.1K, Resistance Tolerance=1%, Resistor Type="Thick Film", Supplier Part Number 1=311-5.10KHRCT-ND, Temperature Coefficient=100ppm/°C, Voltage Rating=50V, Case/Package=0603, Category="Chip SMD Resistors", ComponentLink1Description=https://datasheet.ciiva.com/15189/getdatasheetpartid-326732-15189786.pdf?src-supplier=Verical, ComponentLink1URL=https://datasheet.ciiva.com/15189/getdatasheetpartid-326732-15189786.pdf?src-supplier=Verical, ComponentLink2Description=https://datasheet.ciiva.com/46395/443971-46395016.pdf?src-supplier=Element14, ComponentLink2URL=https://datasheet.ciiva.com/46395/443971-46395016.pdf?src-supplier=Element14, ComponentLink3Description=https://datasheet.ciiva.com/2454/pyu-r-int-thick-7-2454045.pdf?src-supplier=Digi-Key, ComponentLink3URL=https://datasheet.ciiva.com/2454/pyu-r-int-thick-7-2454045.pdf?src-supplier=Digi-Key, ComponentLink4Description=https://datasheet.ciiva.com/2454/pyu-r-int-thick-7-2454046.pdf?src-supplier=Digi-Key, ComponentLink4URL=https://datasheet.ciiva.com/2454/pyu-r-int-thick-7-2454046.pdf?src-supplier=Digi-Key, ComponentLink5Description=https://datasheet.ciiva.com/2454/pyu-r-int-thick-7-2454047.pdf?src-supplier=Digi-Key, ComponentLink5URL=https://datasheet.ciiva.com/2454/pyu-r-int-thick-7-2454047.pdf?src-supplier=Digi-Key, Construction=Rectangular, Depth=0.8mm, Features="Moisture Resistant", Height=0.022inch, Lead Free="Lead Free", Length=0.063inch, Manufacturer Part Number=RC0603FR-075K1L, Military Standard=Not, Number of Pins=2, Number of Terminations=2, Packaging="Tape and Reel", Power Rating=100mW, Pricing 1="1=0.1, 10=0.018, 50=0.0106, 100=0.0088, 500=0.00592, 1000=0.00505 (USD)", Reach SVHC Compliant=No, RoHS=Yes, RoHS Compliant=Yes, Series=RC, Size Code=0603, Stock 1=3197702, Supplier 1=Digi-Key, Termination=SMD/SMT, Tolerance=1%, Voltage Rating (DC)=50V, Width=0.031inch
R7 R24: library part RES_4.7K_1%_100mW_0603, "Res Thick Film 0603 4.7K Ohm 1% 1/10W ±100ppm/°C Molded SMD Paper T/R", Case Code (Imperial)=0603, Case Code (Metric)=1608, Manufacturer=Yageo, Max Operating Temperature=155°C, Max Power Dissipation=100mW, Min Operating Temperature=-55°C, Resistance=4.7K, Resistance Tolerance=1%, Resistor Type="Thick Film", Supplier Part Number 1=311-4.70KHRDKR-ND, Temperature Coefficient=100ppm/°C, Voltage Rating=50V, Case/Package=0603, Category="Chip SMD Resistors", ComponentLink1Description=https://datasheet.ciiva.com/15189/getdatasheetpartid-422754-15189760.pdf?src-supplier=Verical, ComponentLink1URL=https://datasheet.ciiva.com/15189/getdatasheetpartid-422754-15189760.pdf?src-supplier=Verical, ComponentLink2Description=https://datasheet.ciiva.com/7660/38590-7660794.pdf?src-supplier=Element14, ComponentLink2URL=https://datasheet.ciiva.com/7660/38590-7660794.pdf?src-supplier=Element14, ComponentLink3Description=https://datasheet.ciiva.com/22747/443971-22747528.pdf?src-supplier=Element14, ComponentLink3URL=https://datasheet.ciiva.com/22747/443971-22747528.pdf?src-supplier=Element14, ComponentLink4Description=https://datasheet.ciiva.com/46440/1868787-46440909.pdf?src-supplier=Element14, ComponentLink4URL=https://datasheet.ciiva.com/46440/1868787-46440909.pdf?src-supplier=Element14, ComponentLink5Description=https://datasheet.ciiva.com/7746/1868787-7746365.pdf?src-supplier=Element14, ComponentLink5URL=https://datasheet.ciiva.com/7746/1868787-7746365.pdf?src-supplier=Element14, ComponentLink6Description=https://datasheet.ciiva.com/7746/1738695-7746366.pdf?src-supplier=Element14, ComponentLink6URL=https://datasheet.ciiva.com/7746/1738695-7746366.pdf?src-supplier=Element14, Construction=Rectangular, Depth=0.8mm, Features="Moisture Resistant", Height=0.45mm, Lead Free="Lead Free", Lead Pitch=0.3mm, Length=1.6mm, Manufacturer Part Number=RC0603FR-074K7L, Military Standard=Not, Number of Pins=2, Number of Terminations=2, Packaging="Tape and Reel", Power Rating=100mW, Pricing 1="1=0.10000, 10=0.01900, 100=0.00770, 1000=0.00345, 2500=0.00300 (USD)", RoHS=Yes, RoHS Compliant=Yes, Series=RC, Size Code=0603, Stock 1=12195533, Supplier 1=Digi-Key, Supplier 2=Newark, Supplier 3=Mouser, Supplier Part Number 2=75X0151, Supplier Part Number 3=603-RC0603FR-074K7L, Termination=SMD/SMT, Tolerance=1%, Voltage Rating (DC)=50V, Width=0.8mm
R9: library part RES_22.1K_1%_100mW_0603, "SMD Chip Resistor, 22.1 kOhm, ± 1%, 100 mW, 0603 [1608 Metric], Thick Film, General Purpose", Case Code (Imperial)=0603, Case Code (Metric)=1608, Manufacturer=Yageo, Max Operating Temperature=155°C, Max Power Dissipation=100mW, Min Operating Temperature=-55°C, Package Quantity=5000, Resistance=22.1K, Supplier Part Number 1=311-22.1KHRCT-ND, Temperature Coefficient=100ppm/°C, Tolerance=1%, Voltage Rating=50V, Case/Package=0603, Category="Chip SMD Resistors", ComponentLink1Description=https://datasheet.ciiva.com/12555/rc0603-272842-12555287.pdf?src-supplier=Mouser, ComponentLink1URL=https://datasheet.ciiva.com/12555/rc0603-272842-12555287.pdf?src-supplier=Mouser, Features="Moisture Resistant", Height=0.45mm, Lead Free=5697LeadFree, Length=1.6mm, Manufacturer Part Number=RC0603FR-0722K1L, Number of Terminations=2, Packaging="Tape and Reel", Power Rating=100mW, Pricing 1="1=0.1, 10=0.019, 50=0.0112, 100=0.0093, 500=0.00622, 1000=0.00532 (USD)", RoHS=Yes, RoHS Compliant=Yes, Series=RC, Size Code=0603, Stock 1=270995, Supplier 1=Digikey, Termination=SMD/SMT, Voltage Rating (DC)=50V, Width=0.8mm
R10: library part RES_1K_1%_100mW_0603, "Chip Resistor Automotive Grade Thick Film 0603 1kOhm 1% Paper T/R", Case Code (Imperial)=0603, Case Code (Metric)=1608, Manufacturer=Yageo, Max Operating Temperature=155°C, Min Operating Temperature=-55°C, Power Rating=100mW, Resistance=1K, Supplier Part Number 1=13-AC0603FR-101KLDKR-ND, Temperature Coefficient=100ppm/°C, Tolerance=1%, Voltage Rating=50V, Case/Package=0603, Category="Chip SMD Resistors", ComponentLink1Description=http://www.mouser.com/ds/2/447/yageodocoutput-1111992.pdf?src-supplier=Mouser, ComponentLink1URL=http://www.mouser.com/ds/2/447/yageodocoutput-1111992.pdf?src-supplier=Mouser, Height=0.45mm, Length=1.6mm, Manufacturer Part Number=AC0603FR-101KL, Packaging="Tape and Reel", Pricing 1="1=0.10000, 10=0.02500, 100=0.01030, 1000=0.00463, 2500=0.00402, 5000=0.00332 (USD)", RoHS=Yes, RoHS Compliant=Yes, Series=AC, Stock 1=108593, Supplier 1=Digi-Key, Supplier 2=Newark, Supplier 3=Mouser, Supplier Part Number 2=31AK9289, Supplier Part Number 3=603-AC0603FR-101KL, Termination=SMD/SMT, Width=0.8mm